# KiCad board data-center-rdimm-ddr5-tester.kicad_pcb (continued)
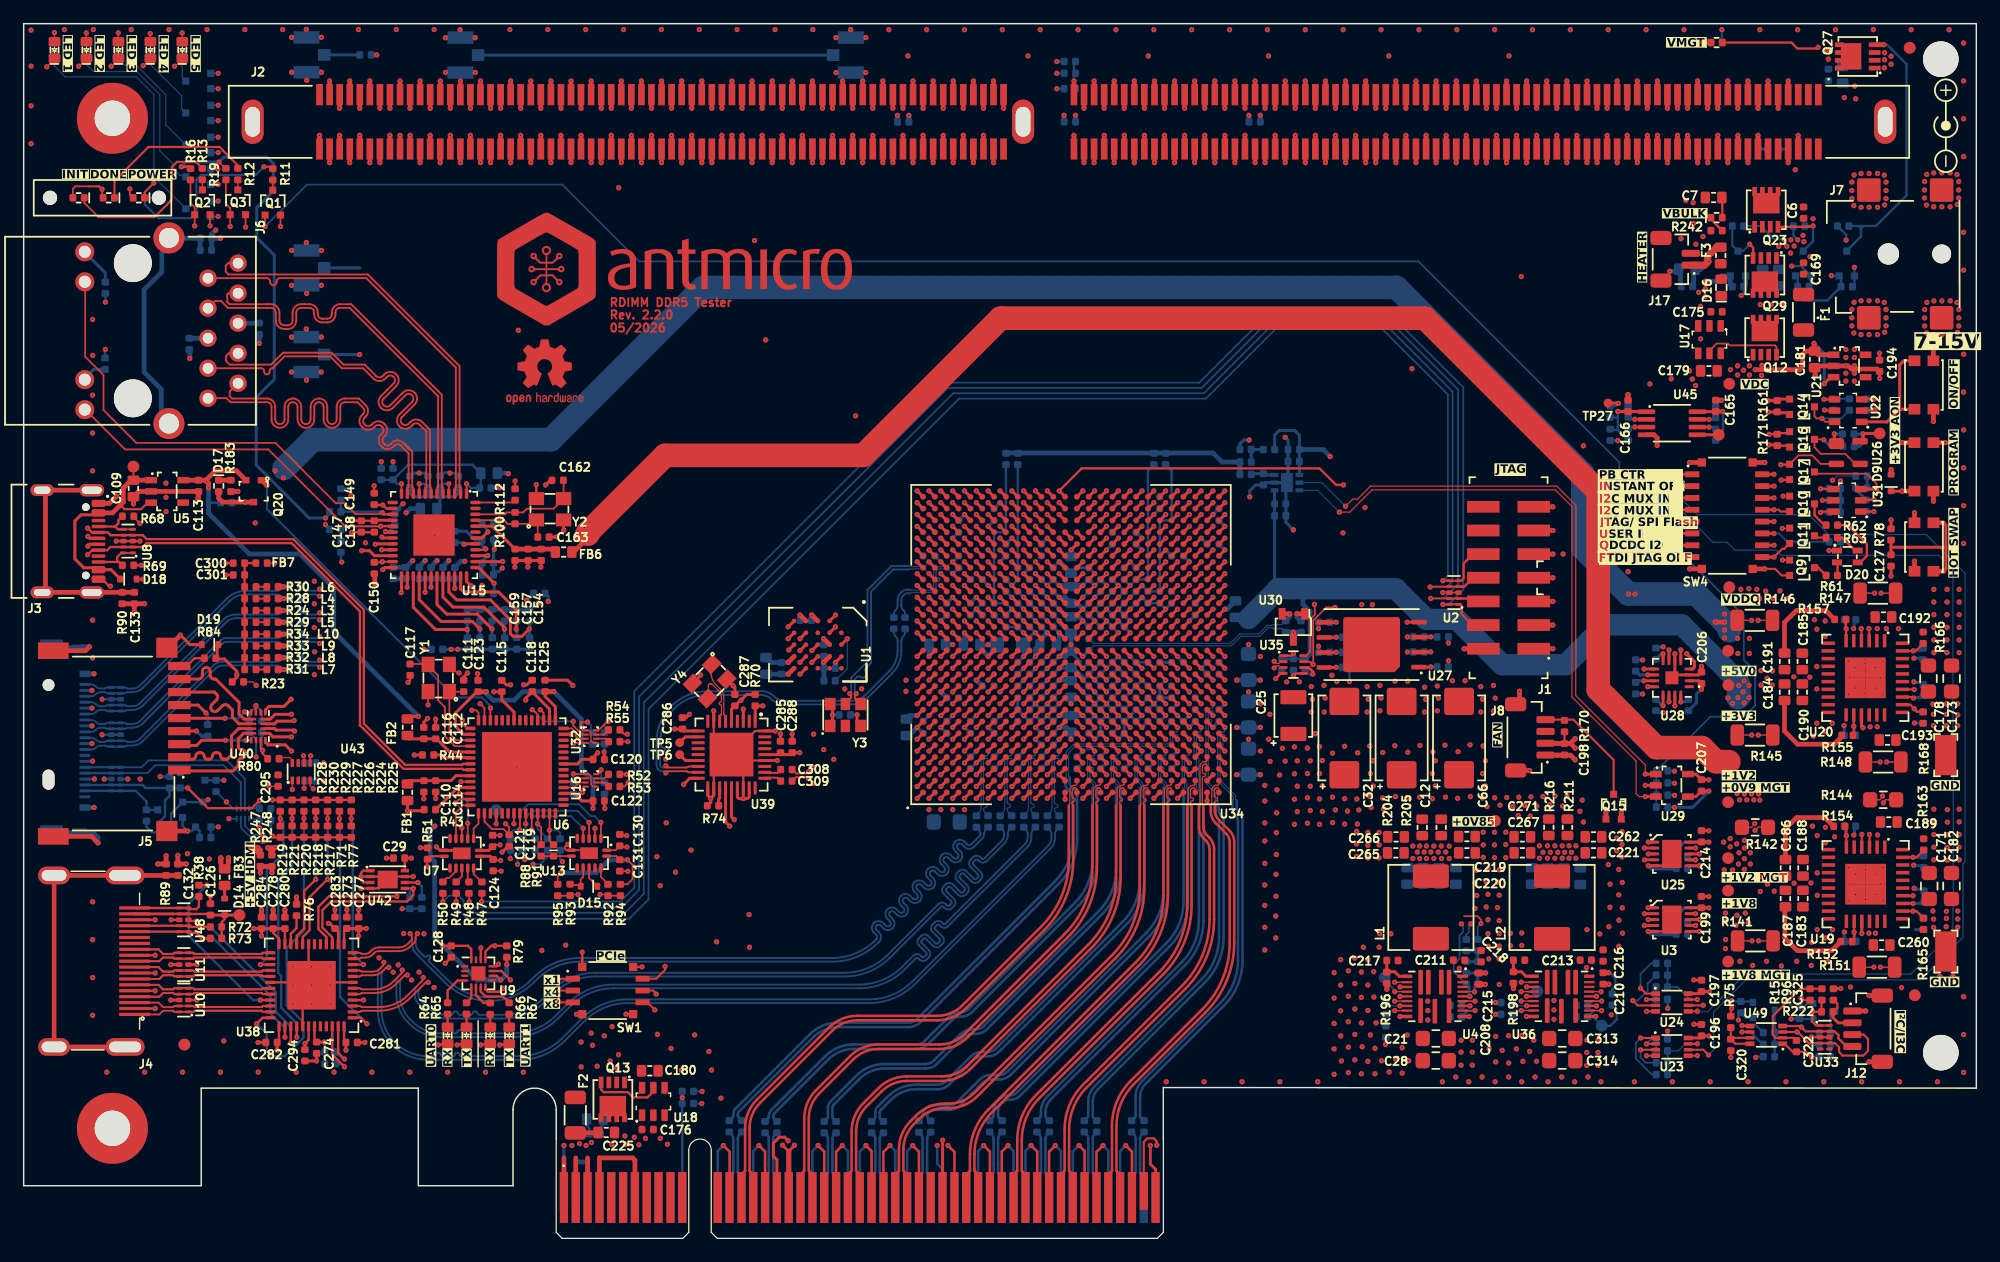
[diagram p0: board, top side]
## Copper pours and planes (outline as drawn; the poured copper is in the pictures) (continued)
VDC on Bottom: 119.51,17.76 122.96,17.76 122.99,17.74 122.99,12.84 119.49,12.84 119.49,17.74
VDC on In9.Cu: 165,12.7 44.88,12.7 44.88,21.88 46.48,23.48 131.19,23.48 131.6,23.88 131.6,102.7 165,102.7
Net-(C215-Pad2) on Top: 118.5,20.6 120,20.6 120.1,20.71 120.1,22.82 120.5,23.22 120.5,23.91 120.62,24.03 122.98,24.04 123.07,24.13 123.07,24.54 122.98,24.63 120.71,24.63 120.5,24.84 120.5,26.77 116.47,26.77 116.47,23.76 117.48,22.75 118.19,22.75 118.35,22.59 118.35,20.75
Net-(C216-Pad2) on Top: 129.22,20.62 130.72,20.62 130.82,20.73 130.82,22.84 131.22,23.24 131.22,23.94 131.34,24.05 133.7,24.06 133.79,24.15 133.79,24.56 133.7,24.65 131.43,24.65 131.15,24.93 131.15,26.79 127.19,26.79 127.19,24.21 127.49,23.9 127.8,23.9 128.01,23.7 128.01,23.16 128.4,22.77 128.91,22.77 129.07,22.61 129.07,20.77
Net-(Q29-D) on Top: 142.85,82.85 144.95,82.85 145.65,82.15 145.65,82.1 145.9,81.85 148.3,81.85 148.4,81.75 148.4,79.55 148.3,79.45 145.9,79.45 145.65,79.7 145.65,80.7 144.6,81.75 142.95,81.75 142.85,81.85
Net-(U4-BST) on Top: 121.15,22 122,22 122.14,22.14 122.14,22.29 122.92,23.07 123.34,23.07 123.46,23.19 123.46,23.53 123.31,23.67 122.5,23.67 122.32,23.49 122.32,23.12 121.53,22.33 121.18,22.33 121.15,22.3
Net-(U36-BST) on Top: 131.87,22.02 132.72,22.02 132.86,22.16 132.86,22.51 133.44,23.09 133.69,23.09 133.78,23.19 133.78,23.62 133.71,23.69 133.22,23.69 133.04,23.51 133.04,23.29 132.1,22.35 131.9,22.35 131.87,22.32

## Text on the board
B.Fab: C_100n_0402
B.Silkscreen: 50Ω | 1 | OPEN | SHORT | LED MODE | AUX JTAG | THROUGH | PCB SHA ######## | PHYAD1 | PHYAD0 | 0 | MODE3 | MODE2 | MODE1 | MODE0 | PHYAD2 | CLKEN | Serial number
User.Eco1: PCIe x8 connector | FPGA programming / INIT LED | FPGA programming / DONE LED | Power indicator LED | USB-C debug connector (J3) | HDMI out connector (J4) | SD card connector (J5) | Ethernet / connector / (J6) | Config switch (SW4) | DC Power connector (J7) | Power button | FPGA programming button | I^{2}/I3C Connector / (J8) | 5x User LED | UART0 and UART1 / status LEDs | X1 | X4 | X8 | ON | PCIe PRSNT selector (SW6) | OFF | RDIMM DDR5 memory connector (J2) | JTAG connector / (J4) | HOT SWAP / status LED | HOT SWAP eject button | FAN connector / (J8) | Heater connector / (J17) | PWM | + | - | VMGT status LED | VBULK status LED | 7-15V
User.Eco2: HDMI IN connector (J4)
Top: RDIMM DDR5 Tester | Rev. 2.2.0 | 05/2026
F.Mask: RDIMM DDR5 Tester | Rev. 2.2.0 | 05/2026
F.Silkscreen: +1V2 MGT | LED 1 | LED 2 | LED 3 | LED 4 | LED 5 | INIT | DONE | POWER | x1 | x4 | x8 | PCIe | +0V85 | JTAG | FTDI JTAG OFF | PB CTRL | INSTANT OFF | I2C MUX IN1 | I2C MUX IN2 | USER IN | QDCDC I2C | JTAG/ SPI Flash | VBULK | VMGT | +5V0 | +3V3 | +1V2 | +0V9 MGT | +1V8 | +1V8 MGT | VDDQ | VDC | GND | +5V HDMI | UART0 | RX | TX | UART1 | FAN | HEATER | +3V3 AON | ON/OFF | PROGRAM | HOT SWAP | I^{2}C/I3C | 7-15V
